# Altium PCB FMC_ADC_130M_16B_4CHv4.PcbDoc (part 3 of 8)
Units mm, origin at the board's own origin, x right, y up, seen from the top; angles counter-clockwise.
Board outline 76.78 x 69 mm, 8 copper layers (Top Layer, GND1, L3, GND2, L5, GND3, POWER, Bottom Layer), stack 1.329 mm thick; 397 components, 449 nets, 2112 pads, 1765 vias.
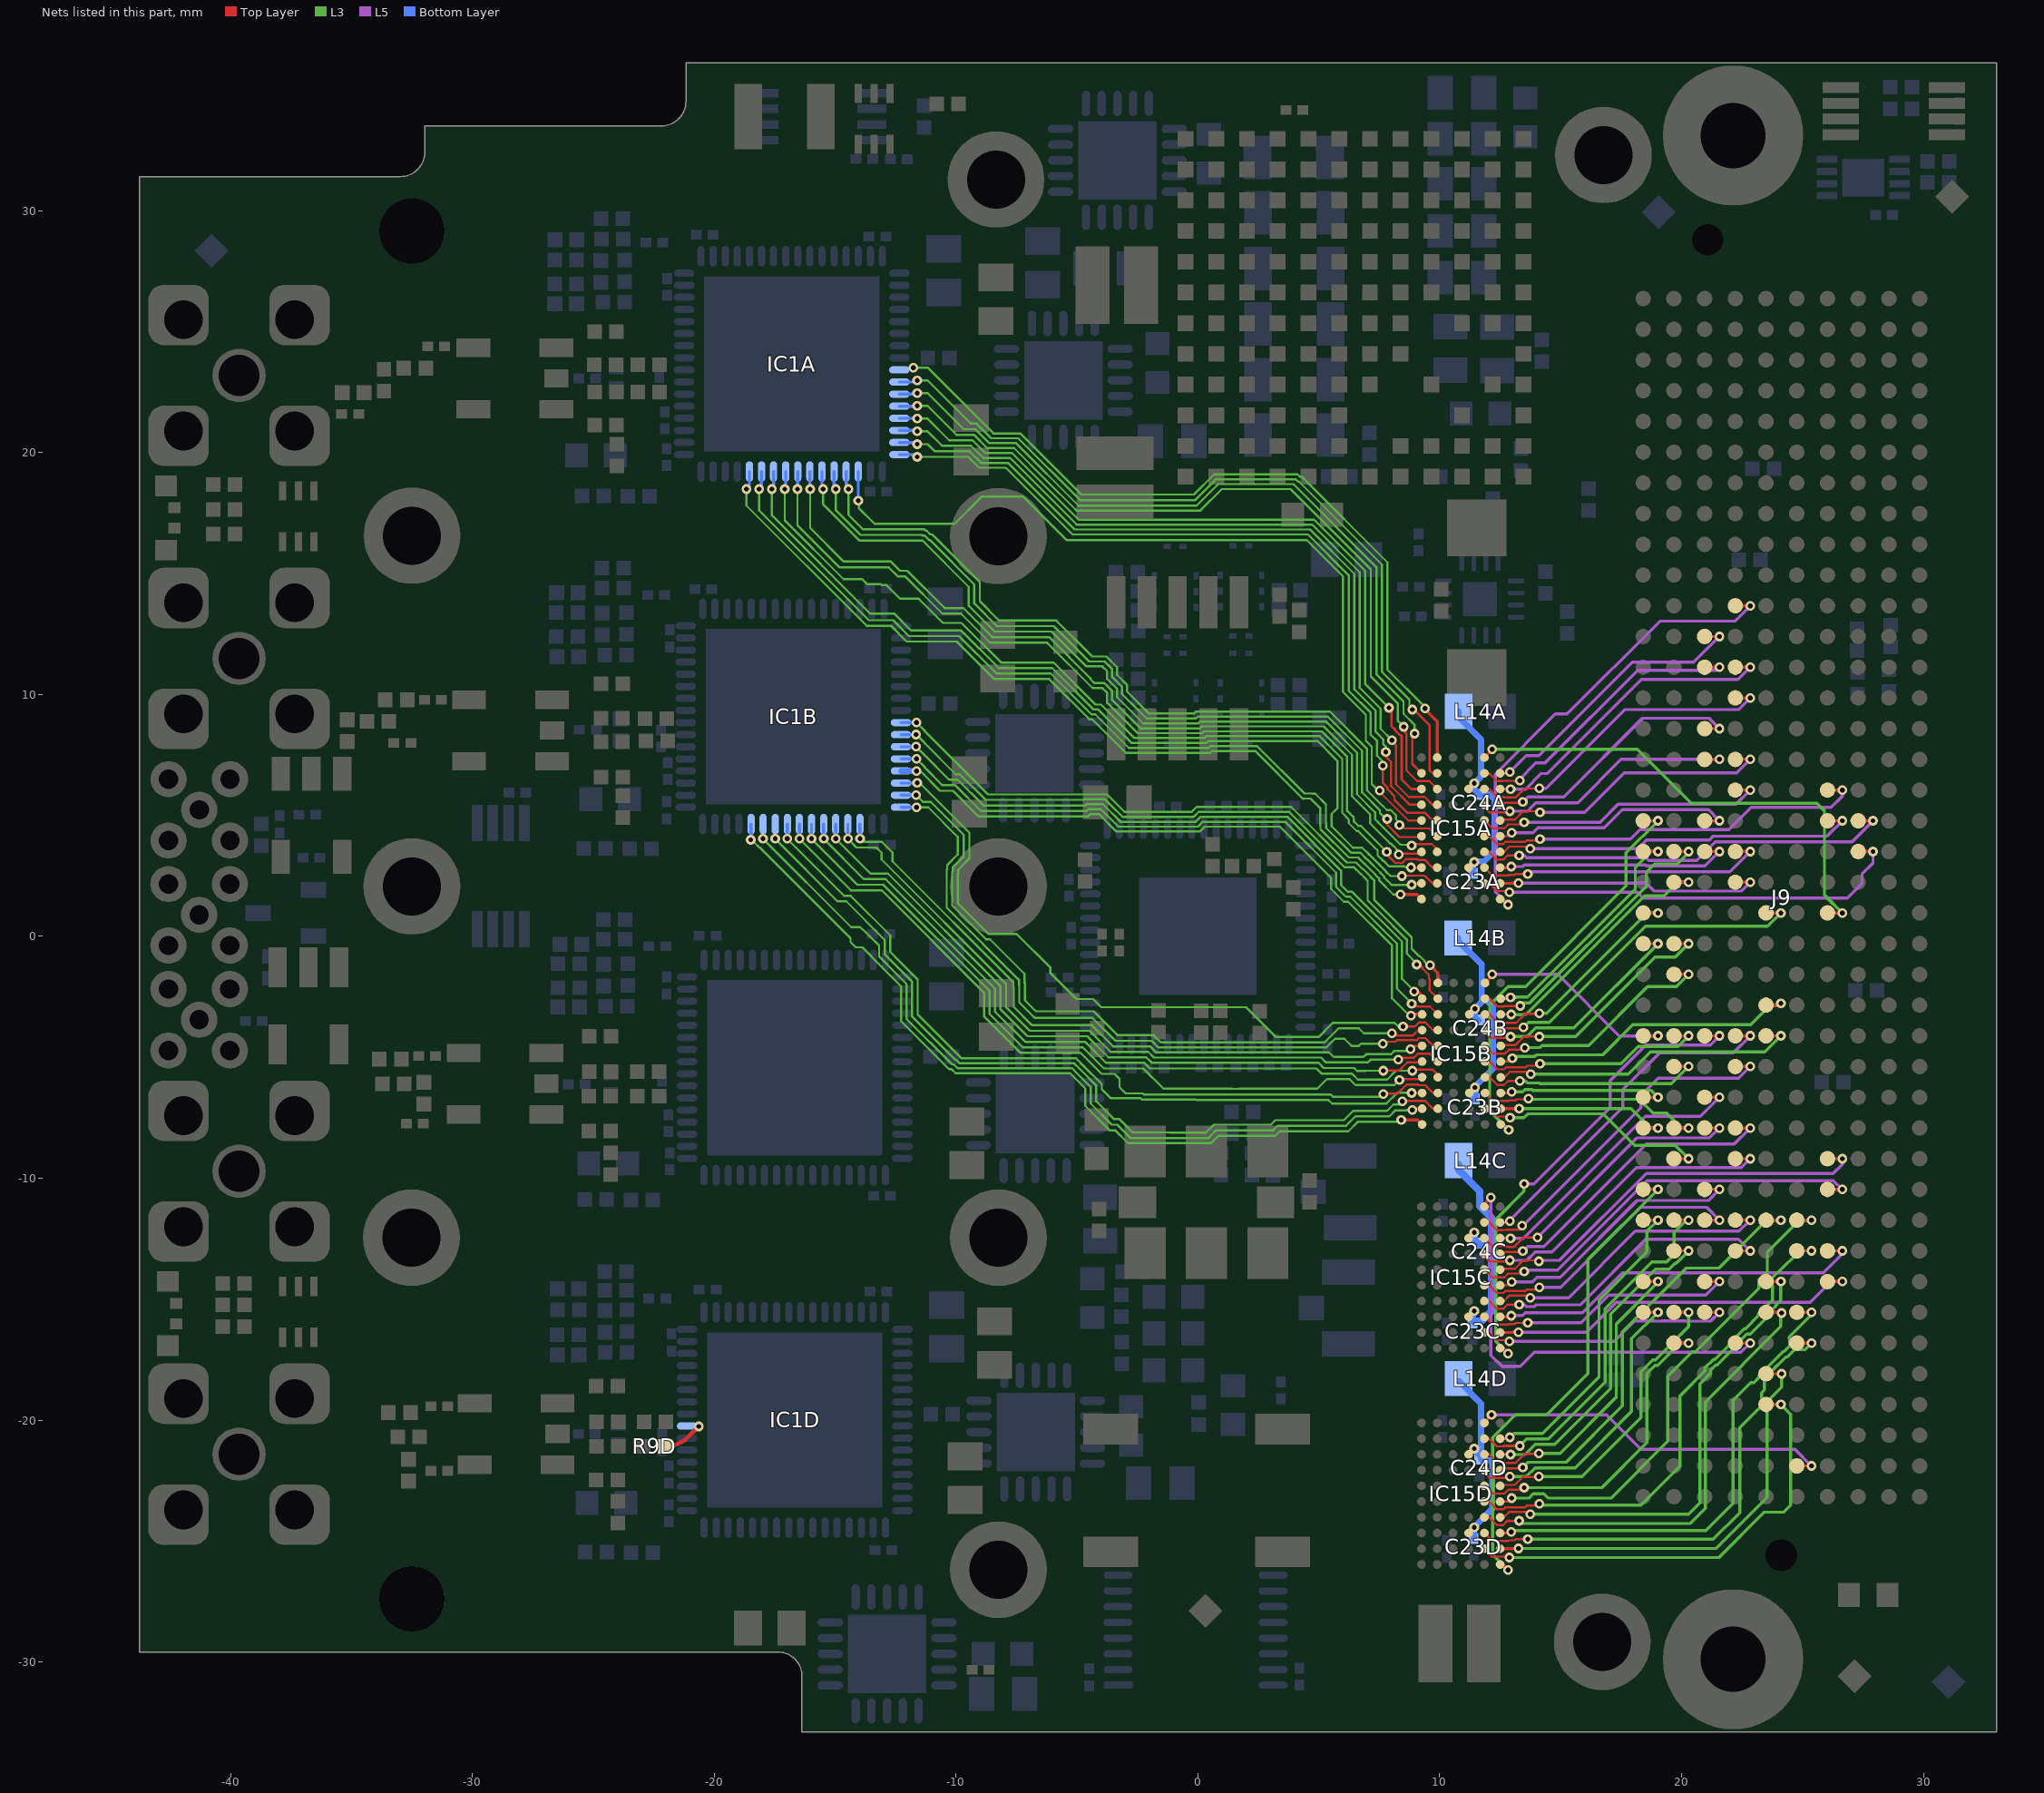
[diagram p9: the nets of this part, all layers, seen from the top]

## Via types
v1: diameter 0.4, hole 0.2, Top Layer to Bottom Layer, tented both sides, 1471 vias
v2: diameter 0.5, hole 0.2, Top Layer to Bottom Layer, tented both sides, 280 vias
v3: diameter 0.4, hole 0.2, Top Layer to Bottom Layer, 14 vias

## Nets (pads, with @x,y where several pads share a name; then routed paths per layer and width w, separated by ;. In a path a pad name is that pad's centre, name@x,y a point inside that pad or via, vN(x,y) a via of type N, cw(c..) or ccw(c..) an arc to the next point about the centre after c; other vN are vias at no path point) (continued)
AIND_P: IC1D.8 R9D.2 | length 1.9
  Top Layer w0.178: R9D.2@-22.029,-21.082 ccw(c-22.029,-19.713) -21.061,-20.681 v1(-20.643,-20.263) v1@-20.776,-20.396
B_CLKOUTAA: IC15A.A1 J9.g30 | length 20.1
  Top Layer w0.102: IC15A.A1@12.496,1.54 12.622,1.54 12.827,1.335 v1(12.827,1.31)
  Top Layer w0.127: J9.g30@22.223,13.665 v1(22.835,13.665)
  L5 w0.127: v1(12.827,1.31) 12.294,1.843 12.294,6.706 14.783,9.195 15.265,9.195 19.101,13.03 22.2,13.03 v1(22.835,13.665)
B_CLKOUTAB: IC15B.A1 J9.k23 | length 17.5
  Top Layer w0.102: IC15B.A1@12.522,-7.778 12.648,-7.778 12.853,-7.983 v1(12.853,-8.008)
  Top Layer w0.127: J9.k23@18.413,4.775 v1(19.025,4.775)
  L3 w0.127: v1(12.853,-8.008) 12.065,-7.22 12.065,-2.839 12.829,-2.075 13.55,-2.075 17.704,2.079 17.704,3.454 v1(19.025,4.775)
B_CLKOUTAC: IC15C.A1 J9.h16 | length 20
  Top Layer w0.102: IC15C.A1@12.496,-17.028 12.622,-17.028 12.827,-17.232 v1(12.827,-17.258)
  Top Layer w0.127: J9.h16@20.953,-4.115 v1(21.565,-4.115)
  L5 w0.127: v1(13.487,-10.236) 13.889,-10.236 17.043,-7.082 17.043,-5.969 18.517,-4.496 21.184,-4.496 v1(21.565,-4.115)
  L3 w0.127: v1(12.827,-17.258) 12.319,-16.75 12.319,-11.709 13.487,-10.541 v1(13.487,-10.236)
B_CLKOUTAD: IC15D.A1 J9.k11 | length 20.6
  Top Layer w0.127: IC15D.A1@12.496,-25.968 12.622,-25.968 12.827,-26.173 v1(12.827,-26.199) ; J9.k11@18.413,-10.465 v1(19.025,-10.465)
  L3 w0.127: v1(12.827,-26.199) 12.192,-25.564 12.192,-20.726 13.132,-19.787 14.427,-19.787 16.129,-18.085 16.129,-13.36 v1(19.025,-10.465)
B_DA0A: IC15A.J2 J9.h28 | length 12.5
  Top Layer w0.089: IC15A.J2@11.854,6.74 IC15A.J2@11.846,6.74 12.042,6.74 12.363,6.419 12.629,6.419 12.641,6.431 12.754,6.431 12.76,6.425 12.779,6.425 12.785,6.431 13.072,6.431 13.097,6.406 13.275,6.406 v1(13.31,6.44)
  Top Layer w0.127: J9.h28@20.953,11.125 v1(21.565,11.125)
  L5 w0.127: v1(13.31,6.44) 13.31,6.502 13.97,7.163 14.353,7.163 18.188,10.998 21.438,10.998 v1(21.565,11.125)
B_DA0B: IC15B.J2 J9.j22 | length 12.2
  Top Layer w0.089: IC15B.J2@11.88,-2.578 IC15B.J2@11.872,-2.578 12.068,-2.578 12.389,-2.899 12.655,-2.899 12.667,-2.887 12.78,-2.887 12.786,-2.893 12.805,-2.893 12.811,-2.887 13.098,-2.887 13.123,-2.912 13.301,-2.912 v1(13.336,-2.877)
  Top Layer w0.127: J9.j22@19.683,3.505 v1(20.295,3.505)
  L3 w0.127: v1(13.336,-2.877) 13.463,-2.75 13.715,-2.75 18.542,2.076 18.542,2.642 18.898,2.997 19.837,2.997 20.295,3.454 v1(20.295,3.505)
B_DA0C: IC15C.J2 J9.g15 | length 14.9
  Top Layer w0.089: IC15C.J2@11.846,-11.828 12.042,-11.828 12.363,-12.149 12.629,-12.149 12.635,-12.143 12.779,-12.143 12.785,-12.137 13.072,-12.137 13.081,-12.127 13.31,-12.127 13.298,-12.116 13.284,-12.116 13.411,-11.989 v1(13.411,-11.963) ; IC15C.J2@11.846,-11.828 IC15C.J2@11.854,-11.828
  Top Layer w0.127: J9.g15@22.223,-5.385 v1(22.835,-5.385)
  L5 w0.127: v1(13.411,-11.963) 13.437,-11.963 18.313,-7.087 18.313,-6.579 19.025,-5.867 22.352,-5.867 v1(22.835,-5.385)
B_DA0D: IC15D.J2 J9.j10 | length 15.4
  Top Layer w0.089: IC15D.J2@11.854,-20.768 IC15D.J2@11.846,-20.768 12.042,-20.768 12.363,-21.089 12.629,-21.089
  Top Layer w0.111: 12.629,-21.089 12.651,-21.068 v1(13.31,-21.068)
  Top Layer w0.127: J9.j10@19.683,-11.735 v1(20.295,-11.735)
  L3 w0.127: v1(13.31,-21.068) 13.598,-20.779 14.496,-20.779 16.84,-18.435 16.84,-15.748 16.84,-15.392 18.771,-13.462 19.38,-13.462 19.685,-13.157 19.685,-12.243 20.193,-11.735 v1(20.295,-11.735)
B_DA1A: IC15A.J1 J9.h29 | length 12
  Top Layer w0.089: IC15A.J1@12.496,6.74 12.872,6.74 12.903,6.771 v1(12.903,6.796)
  Top Layer w0.127: J9.h29@20.953,12.395 v1(21.565,12.395)
  L5 w0.127: v1(12.903,6.796) 13.575,7.468 14.097,7.468 17.958,11.328 20.498,11.328 v1(21.565,12.395)
B_DA1B: IC15B.J1 J9.k22 | length 10.2
  Top Layer w0.089: IC15B.J1@12.522,-2.578 12.898,-2.578 12.929,-2.547 v1(12.929,-2.522)
  Top Layer w0.127: J9.k22@18.413,3.505 v1(19.025,3.505)
  L3 w0.127: v1(12.929,-2.522) 13.175,-2.522 13.184,-2.512 13.63,-2.512 18.085,1.943 18.085,2.845 18.745,3.505 v1(19.025,3.505)
B_DA1C: IC15C.J1 J9.g16 | length 14.6
  Top Layer w0.089: IC15C.J1@12.496,-11.828 12.872,-11.828 12.903,-11.797 v1(12.903,-11.771)
  Top Layer w0.127: J9.g16@22.223,-4.115 v1(22.835,-4.115)
  L5 w0.127: v1(12.903,-11.771) 12.903,-11.735 17.577,-7.061 17.577,-6.339 19.09,-4.826 22.123,-4.826 v1(22.835,-4.115)
B_DA1D: IC15D.J1 J9.k10 | length 13.3
  Top Layer w0.089: IC15D.J1@12.496,-20.768 12.872,-20.768 12.903,-20.738 v1(12.903,-20.712)
  Top Layer w0.127: J9.k10@18.413,-11.735 v1(19.025,-11.735)
  L3 w0.127: v1(12.903,-20.712) 13.065,-20.55 14.248,-20.55 16.586,-18.212 16.586,-15.037 18.567,-13.056 18.567,-12.192 v1(19.025,-11.735)
B_DA2A: IC15A.H2 J9.g27 | length 13.5
  Top Layer w0.089: IC15A.H2@11.846,6.09 12.042,6.09 12.363,5.769 12.629,5.769 12.659,5.739 13.135,5.739 13.506,6.11 14.097,6.11 14.097,6.136 14.111,6.121 v1(14.122,6.121)
  Top Layer w0.127: J9.g27@22.223,9.855 v1(22.835,9.855)
  L5 w0.127: v1(14.122,6.121) 14.396,6.121 17.648,9.373 22.352,9.373 v1(22.835,9.855)
B_DA2B: IC15B.H2 J9.k20 | length 9.8
  Top Layer w0.089: IC15B.H2@11.872,-3.228 12.068,-3.228 12.389,-3.549 12.655,-3.549 12.685,-3.579 13.161,-3.579 13.532,-3.208 14.123,-3.208 v1(14.123,-3.182)
  Top Layer w0.127: J9.k20@18.413,0.965 v1(19.025,0.965)
  L3 w0.127: v1(14.123,-3.182) 14.42,-3.182 18.567,0.965 v1(19.025,0.965)
B_DA2C: IC15C.H2 J9.h13 | length 12.5
  Top Layer w0.089: IC15C.H2@11.846,-12.478 12.167,-12.798 12.167,-12.802 12.725,-12.802 ; 12.725,-12.8 12.775,-12.85 13.062,-12.85 13.466,-12.446 v1(14.046,-12.446)
  Top Layer w0.127: J9.h13@20.953,-7.925 v1(21.565,-7.925)
  L5 w0.127: v1(14.046,-12.446) 18.161,-8.331 21.158,-8.331 v1(21.565,-7.925)
B_DA2D: IC15D.H2 J9.k8 | length 12.9
  Top Layer w0.089: IC15D.H2@11.846,-21.418 12.042,-21.418 12.363,-21.739 12.629,-21.739 12.659,-21.769 13.135,-21.769 13.506,-21.398 14.097,-21.398 v1(14.097,-21.373)
  Top Layer w0.127: J9.k8@18.413,-14.275 v1(19.025,-14.275)
  L3 w0.127: v1(14.097,-21.373) 14.977,-21.373 17.297,-19.053 17.297,-16.027 v1@19.075,-14.249
B_DA3A: IC15A.H1 J9.g28 | length 13
  Top Layer w0.089: IC15A.H1@12.496,6.09 12.924,6.09 v1(12.929,6.085)
  Top Layer w0.127: J9.g28@22.223,11.125 v1(22.835,11.125)
  L5 w0.127: v1(12.929,6.085) 13.553,6.085 14.199,6.731 14.453,6.731 18.339,10.617 22.327,10.617 v1(22.835,11.125)
B_DA3B: IC15B.H1 J9.j21 | length 10.7
  Top Layer w0.089: IC15B.H1@12.522,-3.228 12.95,-3.228 v1(12.955,-3.233)
  Top Layer w0.127: J9.j21@19.683,2.235 v1(20.295,2.235)
  L3 w0.127: v1(12.955,-3.233) 13.175,-3.233 13.184,-3.243 13.487,-3.243 13.496,-3.233 13.556,-3.233 18.465,1.676 19.279,1.676 19.837,2.235 v1(20.295,2.235)
B_DA3C: IC15C.H1 J9.h14 | length 12.1
  Top Layer w0.089: IC15C.H1@12.496,-12.478 12.924,-12.478 v1(12.929,-12.483)
  Top Layer w0.127: J9.h14@20.953,-6.655 v1(21.565,-6.655)
  L5 w0.127: v1(12.929,-12.483) 13.465,-12.483 18.506,-7.442 20.777,-7.442 v1(21.565,-6.655)
B_DA3D: IC15D.H1 J9.j9 | length 13.7
  Top Layer w0.089: IC15D.H1@12.496,-21.418 12.924,-21.418 v1(12.929,-21.423)
  Top Layer w0.127: J9.j9@19.683,-13.005 v1(20.295,-13.005)
  L3 w0.127: v1(12.929,-21.423) 13.53,-21.423 13.946,-21.008 14.756,-21.008 17.069,-18.694 17.069,-15.621 18.923,-13.767 19.482,-13.767 19.723,-13.525 19.774,-13.525 v1(20.295,-13.005)
B_DA4A: IC15A.G2 J9.h25 | length 11.5
  Top Layer w0.089: IC15A.G2@11.846,5.44 11.846,5.338 12.066,5.119 12.852,5.119 v1(12.903,5.17) v1@12.927,5.194
  Top Layer w0.127: J9.h25@20.953,7.315 v1(21.565,7.315)
  L5 w0.127: v1(12.903,5.17) 13.626,5.17 13.757,5.302 13.757,5.307 13.888,5.438 13.894,5.438 13.975,5.519 15.705,5.519 17.501,7.315 v1(21.565,7.315)
B_DA4B: IC15B.G2 J9.k19 | length 9.6
  Top Layer w0.089: IC15B.G2@11.872,-3.878 11.872,-3.979 12.092,-4.199 12.878,-4.199 v1(12.929,-4.147) v1@12.953,-4.124
  Top Layer w0.127: J9.k19@18.413,-0.305 v1(19.025,-0.305)
  L3 w0.127: v1(12.929,-4.147) 13.607,-4.147 13.972,-3.782 15.547,-3.782 v1(19.025,-0.305)
B_DA4C: IC15C.G2 J9.g12 | length 13.7
  Top Layer w0.089: IC15C.G2@11.846,-13.128 11.846,-13.229 12.066,-13.449 12.852,-13.449 v1(12.903,-13.397) v1@12.927,-13.373 ; IC15C.G2@11.846,-13.229 IC15C.G2@11.846,-13.128
  Top Layer w0.127: J9.g12@22.223,-9.195 v1(22.835,-9.195)
  L5 w0.127: v1(12.903,-13.397) 13.603,-13.397 13.952,-13.048 14.638,-13.048 18.126,-9.56 22.47,-9.56 v1(22.835,-9.195)
B_DA4D: IC15D.G2 J9.k7 | length 12.6
  Top Layer w0.089: IC15D.G2@11.846,-22.068 11.846,-22.17 12.066,-22.389 12.852,-22.389 v1(12.903,-22.338) v1@12.927,-22.314
  Top Layer w0.127: J9.k7@18.413,-15.545 v1(19.025,-15.545)
  L3 w0.127: v1(12.903,-22.338) 13.581,-22.338 13.946,-21.973 15.602,-21.973 17.932,-19.643 17.932,-16.637 v1(19.025,-15.545)
B_DA5A: IC15A.G1 J9.h26 | length 11.4
  Top Layer w0.089: IC15A.G1@12.496,5.44 12.573,5.516 13.472,5.516 v1@13.487,5.501
  Top Layer w0.127: J9.h26@20.953,8.585 v1(21.565,8.585)
  L5 w0.127: v1(13.437,5.551) 13.642,5.756 15.126,5.756 18.387,9.017 21.133,9.017 v1(21.565,8.585)
B_DA5B: IC15B.G1 J9.f20 | length 14.2
  Top Layer w0.089: IC15B.G1@12.522,-3.878 12.599,-3.801 13.498,-3.801 v1@13.513,-3.817
  Top Layer w0.127: J9.f20@23.493,0.965 v1(24.105,0.965)
  L3 w0.127: v1(13.463,-3.766) 13.675,-3.554 14.531,-3.554 18.504,0.419 23.558,0.419 v1(24.105,0.965)
B_DA5C: IC15C.G1 J9.g13 | length 13.1
  Top Layer w0.089: IC15C.G1@12.496,-13.128 12.573,-13.051 13.472,-13.051 v1@13.487,-13.067
  Top Layer w0.127: J9.g13@22.223,-7.925 v1(22.835,-7.925)
  L5 w0.127: v1(13.437,-13.016) 13.633,-12.819 14.308,-12.819 18.542,-8.585 22.174,-8.585 v1(22.835,-7.925)
B_DA5D: IC15D.G1 J9.f10 | length 18.3
  Top Layer w0.089: IC15D.G1@12.496,-22.068 12.573,-21.992 13.472,-21.992 v1@13.487,-22.008
  Top Layer w0.127: J9.f10@23.493,-11.735 v1(24.105,-11.735)
  L3 w0.127: v1(13.437,-21.957) 13.649,-21.744 15.22,-21.744 17.551,-19.413 17.551,-16.358 20.193,-13.716 21.539,-13.716 23.52,-11.735 v1(24.105,-11.735)
B_DA6A: IC15A.F2 J9.g24 | length 12.6
  Top Layer w0.089: IC15A.F2@11.846,4.79 11.854,4.79 12.175,4.469 12.677,4.469 12.836,4.627 13.123,4.627 13.134,4.617 13.144,4.627 13.402,4.627 v1(13.487,4.713)
  Top Layer w0.127: J9.g24@22.223,6.045 v1(22.835,6.045)
  L5 w0.127: v1(13.487,4.713) 16.626,4.713 17.374,5.461 22.25,5.461 v1(22.835,6.045)
  L3 w0.127: v1(13.487,4.713) 13.68,4.713 v1@13.683,4.716
B_DA6B: IC15B.F2 J9.j18 | length 10.5
  Top Layer w0.089: IC15B.F2@11.872,-4.528 11.88,-4.528 12.201,-4.849 12.703,-4.849 12.862,-4.69 13.149,-4.69 13.16,-4.701 13.17,-4.69 13.428,-4.69 v1(13.513,-4.605)
  Top Layer w0.127: J9.j18@19.683,-1.575 v1(20.295,-1.575)
  L3 w0.127: v1(13.513,-4.605) 13.706,-4.605 13.709,-4.602 14.143,-4.602 14.233,-4.513 16.163,-4.513 18.593,-2.083 19.787,-2.083 v1(20.295,-1.575)
B_DA6C: IC15C.F2 J9.d11 | length 17.4
  Top Layer w0.089: IC15C.F2@11.846,-13.778 IC15C.F2@11.854,-13.778 ; IC15C.F2@11.846,-13.778 IC15C.F2@11.854,-13.778 ; v1(13.487,-13.854) 13.402,-13.94 13.144,-13.94 13.134,-13.951 13.123,-13.94 12.836,-13.94 12.677,-14.099 12.175,-14.099 IC15C.F2@11.854,-13.778
  Top Layer w0.127: J9.d11@26.033,-10.465 v1(26.645,-10.465)
  L5 w0.127: v1(13.487,-13.854) 13.54,-13.802 14.869,-13.802 18.571,-10.1 26.28,-10.1 v1(26.645,-10.465)
B_DA6D: IC15D.F2 J9.j6 | length 13.6
  Top Layer w0.089: IC15D.F2@11.846,-22.718 11.854,-22.718 12.175,-23.039 12.677,-23.039 12.836,-22.881 v1@13.402,-22.881 ; v1@13.402,-22.881 v1(13.487,-22.795) v1@13.402,-22.881
  Top Layer w0.127: J9.j6@19.683,-16.815 v1(20.295,-16.815)
  L3 w0.127: v1(13.487,-22.795) 16.702,-22.795 18.567,-20.93 18.567,-18.076 18.899,-17.745 19.009,-17.745 19.939,-16.815 v1(20.295,-16.815)
B_DA7A: IC15A.F1 J9.g25 | length 12
  Top Layer w0.089: IC15A.F1@12.496,4.79 12.531,4.824 13.109,4.824 13.439,5.155 13.631,5.155 13.647,5.17 14.097,5.17 14.111,5.156 14.122,5.156 v1(14.148,5.131)
  Top Layer w0.127: J9.g25@22.223,7.315 v1(22.835,7.315)
  L5 w0.127: v1(14.148,5.131) 16.002,5.131 17.628,6.756 22.276,6.756 v1(22.835,7.315)
B_DA7B: IC15B.F1 J9.j19 | length 10.1
  Top Layer w0.089: IC15B.F1@12.522,-4.528 12.557,-4.493 13.135,-4.493 13.465,-4.163 13.657,-4.163 13.673,-4.147 v1(14.123,-4.147)
  Top Layer w0.127: J9.j19@19.683,-0.305 v1(20.295,-0.305)
  L3 w0.127: v1(14.123,-4.147) 15.614,-4.147 18.898,-0.864 19.736,-0.864 v1(20.295,-0.305)
B_DA7C: IC15C.F1 J9.d12 | length 16.9
  Top Layer w0.089: IC15C.F1@12.496,-13.778 12.531,-13.743 13.109,-13.743 13.439,-13.413 13.631,-13.413 13.647,-13.397 14.097,-13.397 v1(14.097,-13.437)
  Top Layer w0.127: J9.d12@26.033,-9.195 v1(26.645,-9.195)
  L5 w0.127: v1(14.097,-13.437) 14.097,-13.397 14.951,-13.397 18.543,-9.804 26.264,-9.804 26.645,-9.423 v1(26.645,-9.195)
B_DA7D: IC15D.F1 J9.j7 | length 12.8
  Top Layer w0.089: IC15D.F1@12.496,-22.718 12.531,-22.684 13.109,-22.684 13.439,-22.354
  Top Layer w0.111: 13.439,-22.354 14.081,-22.354 v1(14.097,-22.338)
  Top Layer w0.127: J9.j7@19.683,-15.545 v1(20.295,-15.545)
  L3 w0.127: v1(14.097,-22.338) 15.889,-22.338 18.324,-19.903 18.324,-17.996 18.804,-17.517 18.914,-17.517 20.295,-16.136 v1(20.295,-15.545)
B_DA8A: IC15A.E2 J9.d24 | length 16.7
  Top Layer w0.089: IC15A.E2@11.846,4.14 12.042,4.14 12.363,3.819 12.629,3.819 12.714,3.904 13.535,3.904 13.598,3.967 14.037,3.967 14.122,4.053 14.122,4.039 v1(14.148,4.013)
  Top Layer w0.127: J9.d24@26.033,6.045 v1(26.645,6.045)
  L5 w0.127: v1(14.148,4.013) 17.882,4.013 18.279,4.41 21.962,4.41 22.47,4.918 22.47,4.926 22.877,5.334 26.187,5.334 26.645,5.791 v1(26.645,6.045)
B_DA8B: IC15B.E2 J9.j16 | length 9.7
  Top Layer w0.089: IC15B.E2@11.872,-5.178 12.068,-5.178 12.389,-5.499 12.655,-5.499 12.74,-5.414 13.561,-5.414 13.624,-5.351 14.063,-5.351 v1(14.148,-5.265)
  Top Layer w0.127: J9.j16@19.683,-4.115 v1(20.295,-4.115)
  L3 w0.127: v1(14.148,-5.265) 17.493,-5.265 18.212,-4.547 19.863,-4.547 v1(20.295,-4.115)
B_DA8C: IC15C.E2 J9.h10 | length 12.2
  Top Layer w0.089: IC15C.E2@11.846,-14.428 12.042,-14.428 12.363,-14.749 12.629,-14.749 12.714,-14.664 13.535,-14.664 13.598,-14.6 14.037,-14.6 v1(14.122,-14.515)
  Top Layer w0.127: J9.h10@20.953,-11.735 v1(21.565,-11.735)
  L5 w0.127: v1(14.122,-14.515) 15,-14.515 18.313,-11.201 21.031,-11.201 v1(21.565,-11.735)
B_DA8D: IC15D.E2 J9.e9 | length 21.2
  Top Layer w0.089: IC15D.E2@11.846,-23.368 12.042,-23.368 12.363,-23.689 12.629,-23.689 12.714,-23.604 13.535,-23.604 13.598,-23.541 14.037,-23.541 v1(14.122,-23.455)
  Top Layer w0.127: J9.e9@24.763,-13.005 v1(25.375,-13.005)
  L3 w0.127: v1(14.122,-23.455) 14.182,-23.515 18.318,-23.515 19.93,-21.904 19.93,-19.006 20.971,-17.964 20.971,-17.839 21.319,-17.491 21.378,-17.491 22.241,-16.628 22.241,-16.569 22.589,-16.221 22.648,-16.221 23.185,-15.684 23.185,-15.606 23.754,-15.037 23.754,-14.44 23.74,-14.426 23.74,-14.124 23.953,-13.91 23.974,-13.91 24.879,-13.005 v1(25.375,-13.005)
B_DA9A: IC15A.E1 J9.h23 | length 10.4
  Top Layer w0.089: IC15A.E1@12.496,4.14 12.838,4.14 v1(12.979,4.281)
  Top Layer w0.127: J9.h23@20.953,4.775 v1(21.565,4.775)
  L5 w0.127: v1(12.979,4.281) 13.853,4.281 14.056,4.485 16.804,4.485 17.551,5.232 21.107,5.232 v1(21.565,4.775)
  L3 w0.127: v1(12.979,4.281) v1@13.046,4.348
B_DA9B: IC15B.E1 J9.f17 | length 13.3
  Top Layer w0.089: IC15B.E1@12.522,-5.178 12.864,-5.178 v1(13.005,-5.036)
  Top Layer w0.127: J9.f17@23.493,-2.845 24.104,-2.845 v1(24.105,-2.769)
  L3 w0.127: v1(13.005,-5.036) 13.072,-4.97 13.927,-4.97 13.997,-4.9 16.741,-4.9 17.983,-3.658 22.86,-3.658 23.673,-2.845 24.105,-2.845 v1(24.105,-2.769)
B_DA9C: IC15C.E1 J9.h11 | length 11.4
  Top Layer w0.089: IC15C.E1@12.496,-14.428 12.838,-14.428 v1(12.979,-14.286)
  Top Layer w0.127: J9.h11@20.953,-10.465 v1(21.565,-10.465)
  L5 w0.127: v1(12.979,-14.286) 13.835,-14.286 14.024,-14.097 14.986,-14.097 18.161,-10.922 21.107,-10.922 v1(21.565,-10.465)
  L3 w0.127: v1(12.979,-14.286) v1@13.046,-14.219
B_DA9D: IC15D.E1 J9.e10 | length 20.7
  Top Layer w0.089: IC15D.E1@12.496,-23.368 12.838,-23.368 v1(12.979,-23.227)
  Top Layer w0.127: J9.e10@24.763,-11.735 v1(25.375,-11.735)
  L3 w0.127: v1(12.979,-23.227) 13.688,-23.227 13.864,-23.05 14.313,-23.05 14.489,-23.227 17.083,-23.227 19.431,-20.879 19.431,-18.186 20.438,-17.18 20.446,-17.18 20.455,-17.17 20.574,-17.17 23.2,-14.545 23.2,-14.199 23.546,-13.852 23.546,-13.047 24.858,-11.735 v1(25.375,-11.735)
B_DA10A: IC15A.D2 J9.c23 | length 17.8
  Top Layer w0.089: IC15A.D2@11.846,3.49 12.042,3.49 12.363,3.169 12.629,3.169 12.802,3.342 v1(13.284,3.342)
  Top Layer w0.127: J9.c23@27.303,4.775 v1(27.915,4.775)
  L5 w0.127: v1(13.284,3.342) 13.504,3.342 13.59,3.256 18.521,3.256 18.637,3.14 20.622,3.14 21.394,3.912 27.051,3.912 v1(27.915,4.775)
  L3 w0.127: v1(13.284,3.342) v1@13.395,3.23
B_DA10B: IC15B.D2 J9.j15 | length 9.6
  Top Layer w0.089: IC15B.D2@11.872,-5.828 12.068,-5.828 12.389,-6.149 12.655,-6.149 12.828,-5.976 v1(13.31,-5.976)
  Top Layer w0.127: J9.j15@19.683,-5.385 v1(20.295,-5.385)
  L3 w0.127: v1(13.31,-5.976) 13.53,-5.976 13.616,-6.062 14.102,-6.062 14.136,-6.096 19.583,-6.096 v1(20.295,-5.385)
B_DA10C: IC15C.D2 J9.g9 | length 13.4
  Top Layer w0.089: IC15C.D2@11.846,-15.078 12.042,-15.078 12.363,-15.399 12.629,-15.399 12.802,-15.226 v1(13.284,-15.226)
  Top Layer w0.127: J9.g9@22.223,-13.005 v1(22.835,-13.005)
  L5 w0.127: v1(13.284,-15.226) 13.504,-15.226 13.59,-15.312 13.893,-15.312 13.967,-15.237 15.802,-15.237 18.517,-12.522 22.352,-12.522 v1(22.835,-13.005)
  L3 w0.127: v1(13.284,-15.226) v1@13.395,-15.337
B_DA10D: IC15D.D2 J9.f7 | length 19.7
  Top Layer w0.089: IC15D.D2@11.846,-24.018 12.042,-24.018 12.363,-24.339 12.629,-24.339 12.802,-24.167 v1(13.284,-24.167)
  Top Layer w0.127: J9.f7@23.493,-15.545 24.104,-15.545 v1(24.13,-15.57)
  L3 w0.127: v1(13.284,-24.167) 13.395,-24.278 20.35,-24.278 20.98,-23.647 20.98,-19.253 24.105,-16.129 24.105,-15.545 v1(24.13,-15.57)
B_DA11A: IC15A.D1 J9.d23 | length 15.4
  Top Layer w0.089: IC15A.D1@12.496,3.49 12.655,3.49 12.875,3.71 13.652,3.71 v1(13.741,3.621)
  Top Layer w0.127: J9.d23@26.033,4.775 v1(26.645,4.775)
  L5 w0.127: v1(13.741,3.621) 18.175,3.621 18.542,3.988 21.147,3.988 21.299,4.14 22.167,4.14 26.01,4.14 v1(26.645,4.775)
B_DA11B: IC15B.D1 J9.f16 | length 13
  Top Layer w0.089: IC15B.D1@12.522,-5.828 12.681,-5.828 12.901,-5.608 13.678,-5.608 v1(13.767,-5.697)
  Top Layer w0.127: J9.f16@23.493,-4.115 v1(24.105,-4.115)
  L3 w0.127: v1(13.767,-5.697) 17.798,-5.697 18.72,-4.775 23.444,-4.775 v1(24.105,-4.115)
B_DA11C: IC15C.D1 J9.g10 | length 12.4
  Top Layer w0.089: IC15C.D1@12.496,-15.078 12.655,-15.078 12.875,-14.858 13.652,-14.858 v1(13.741,-14.946)
  Top Layer w0.127: J9.g10@22.223,-11.735 v1(22.835,-11.735)
  L5 w0.127: v1(13.741,-14.946) 15.33,-14.946 18.085,-12.192 22.377,-12.192 v1(22.835,-11.735)
B_DA11D: IC15D.D1 J9.f8 | length 19.8
  Top Layer w0.089: IC15D.D1@12.496,-24.018 12.655,-24.018 12.875,-23.798 13.652,-23.798 v1(13.741,-23.887)
  Top Layer w0.127: J9.f8@23.493,-14.275 v1(24.105,-14.275)
  L3 w0.127: v1(13.741,-23.887) 20.283,-23.887 20.752,-23.419 20.752,-18.507 21.2,-18.059 21.2,-17.934 21.413,-17.72 21.473,-17.72 22.47,-16.723 22.47,-16.664 22.683,-16.45 22.835,-16.45 23.765,-15.519 23.765,-15.419 23.888,-15.296 23.888,-15.265 24.105,-15.049 v1(24.105,-14.275)
B_DA12A: IC15A.C2 J9.g22 | length 12.1
  Top Layer w0.089: IC15A.C2@11.846,2.84 12.173,2.513 12.836,2.513 12.861,2.538 13.097,2.538 13.139,2.58 v1(13.64,2.58)
  Top Layer w0.127: J9.g22@22.223,3.505 v1(22.835,3.505)
  L5 w0.127: v1(13.64,2.58) 13.735,2.675 22.004,2.675 v1(22.835,3.505)
B_DA12B: IC15B.C2 J9.j13 | length 9.8
  Top Layer w0.089: IC15B.C2@11.872,-6.478 12.199,-6.805 12.862,-6.805 12.887,-6.779 13.123,-6.779 13.165,-6.738 v1@13.666,-6.738 ; v1@13.665,-6.738 v1(13.665,-6.706)
  Top Layer w0.127: J9.j13@19.683,-7.925 v1(20.295,-7.925)
  L3 w0.127: v1@13.666,-6.738 18.244,-6.738 18.821,-7.315 19.38,-7.315 19.99,-7.925 v1(20.295,-7.925) ; v1@13.665,-6.738 v1(13.665,-6.706)
B_DA12C: IC15C.C2 J9.h8 | length 11.2
  Top Layer w0.089: IC15C.C2@11.846,-15.728 12.173,-16.054 12.836,-16.054 12.861,-16.029 13.097,-16.029 13.139,-15.988 v1@13.64,-15.988
  Top Layer w0.127: J9.h8@20.953,-14.275 v1(21.565,-14.275)
  L5 w0.127: v1(13.64,-15.977) 15.85,-15.977 16.993,-14.834 21.006,-14.834 v1(21.565,-14.275)
B_DA12D: IC15D.C2 J9.e6 | length 20.3
  Top Layer w0.089: IC15D.C2@11.846,-24.668 12.173,-24.995 12.836,-24.995 12.861,-24.97 13.097,-24.97 13.139,-24.929 v1(13.64,-24.929)
  Top Layer w0.127: J9.e6@24.763,-16.815 v1(25.375,-16.815)